# KiCad board AppleII.kicad_pcb
date: 2024-01-27
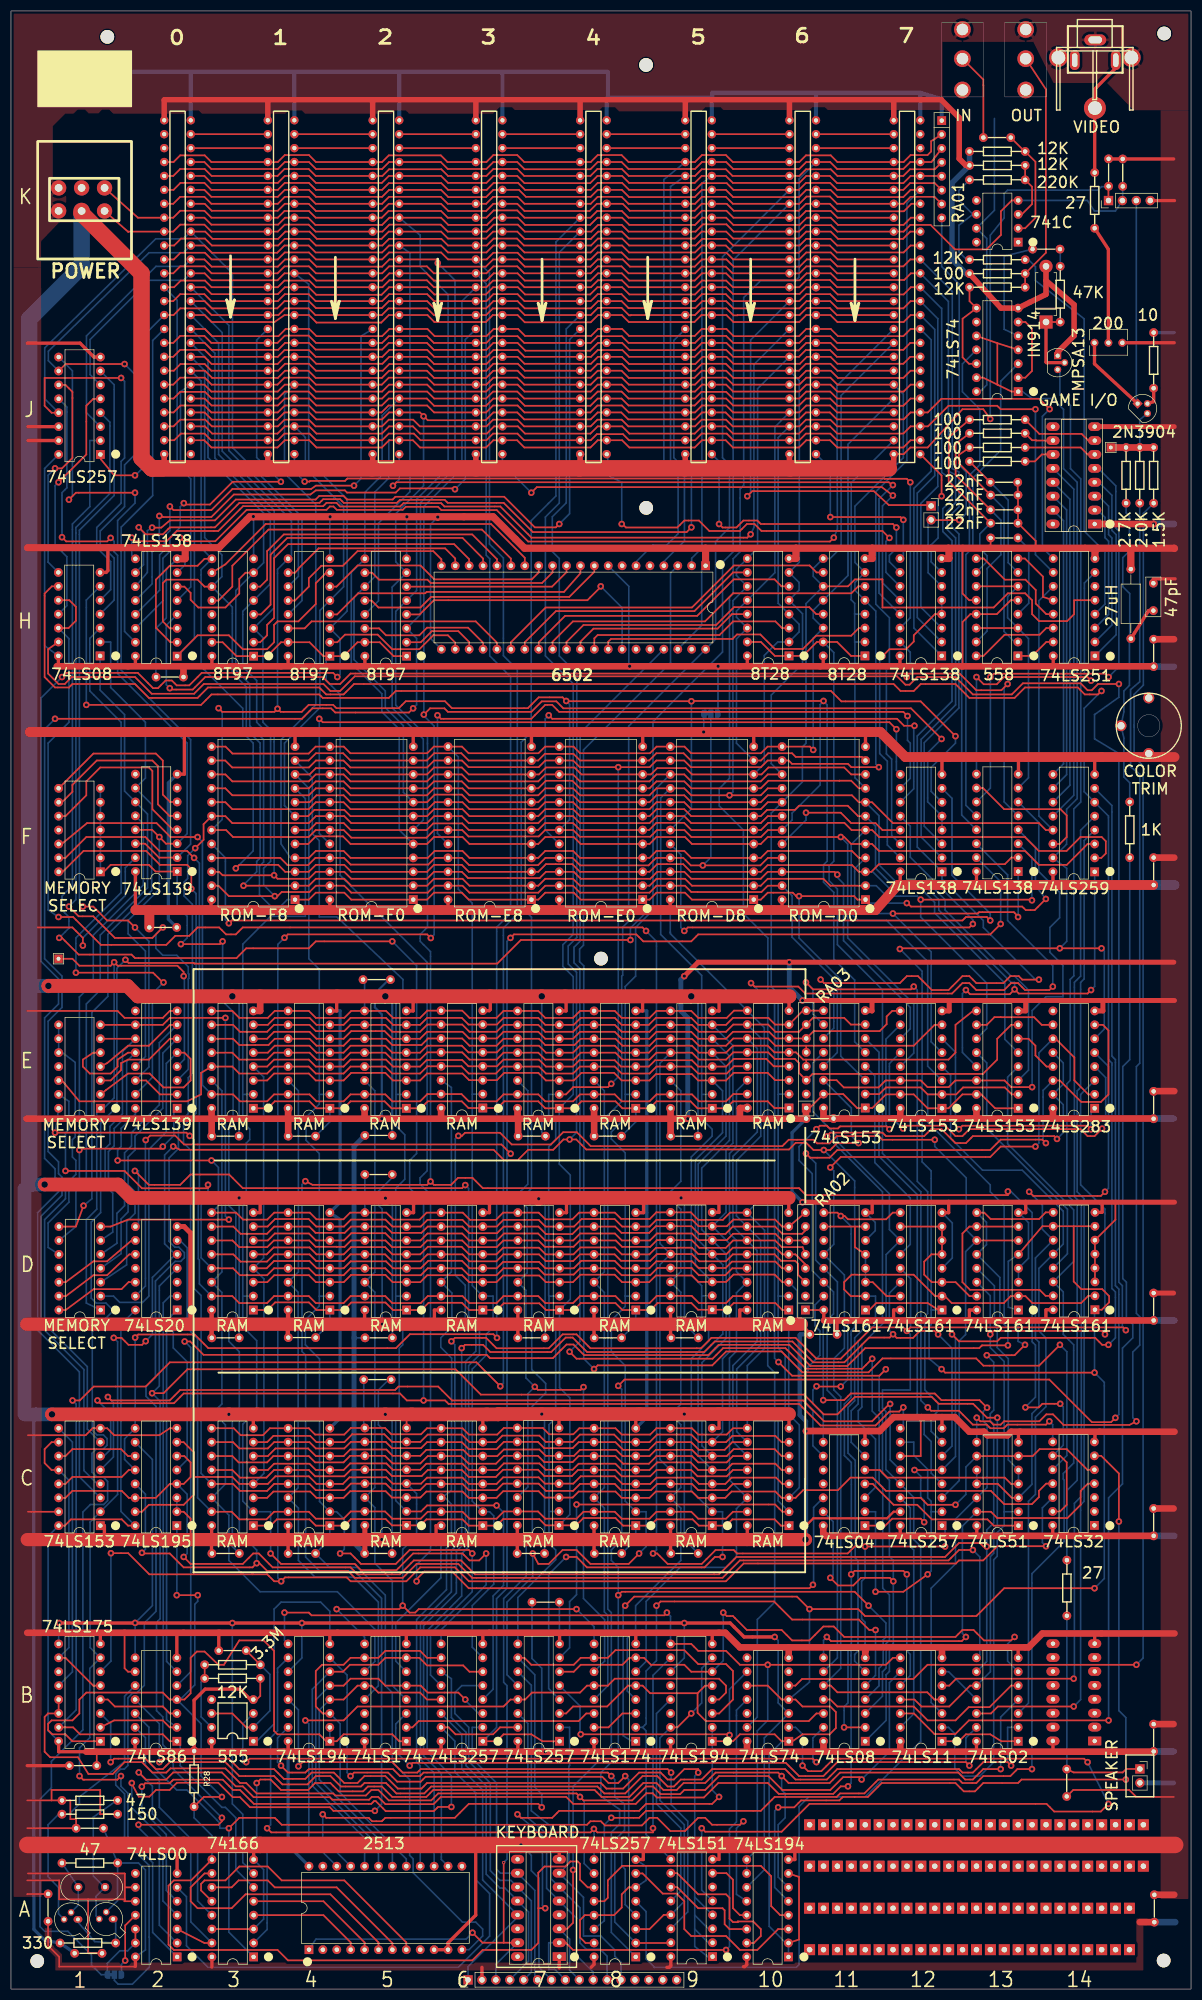
[diagram p0: board, top side]
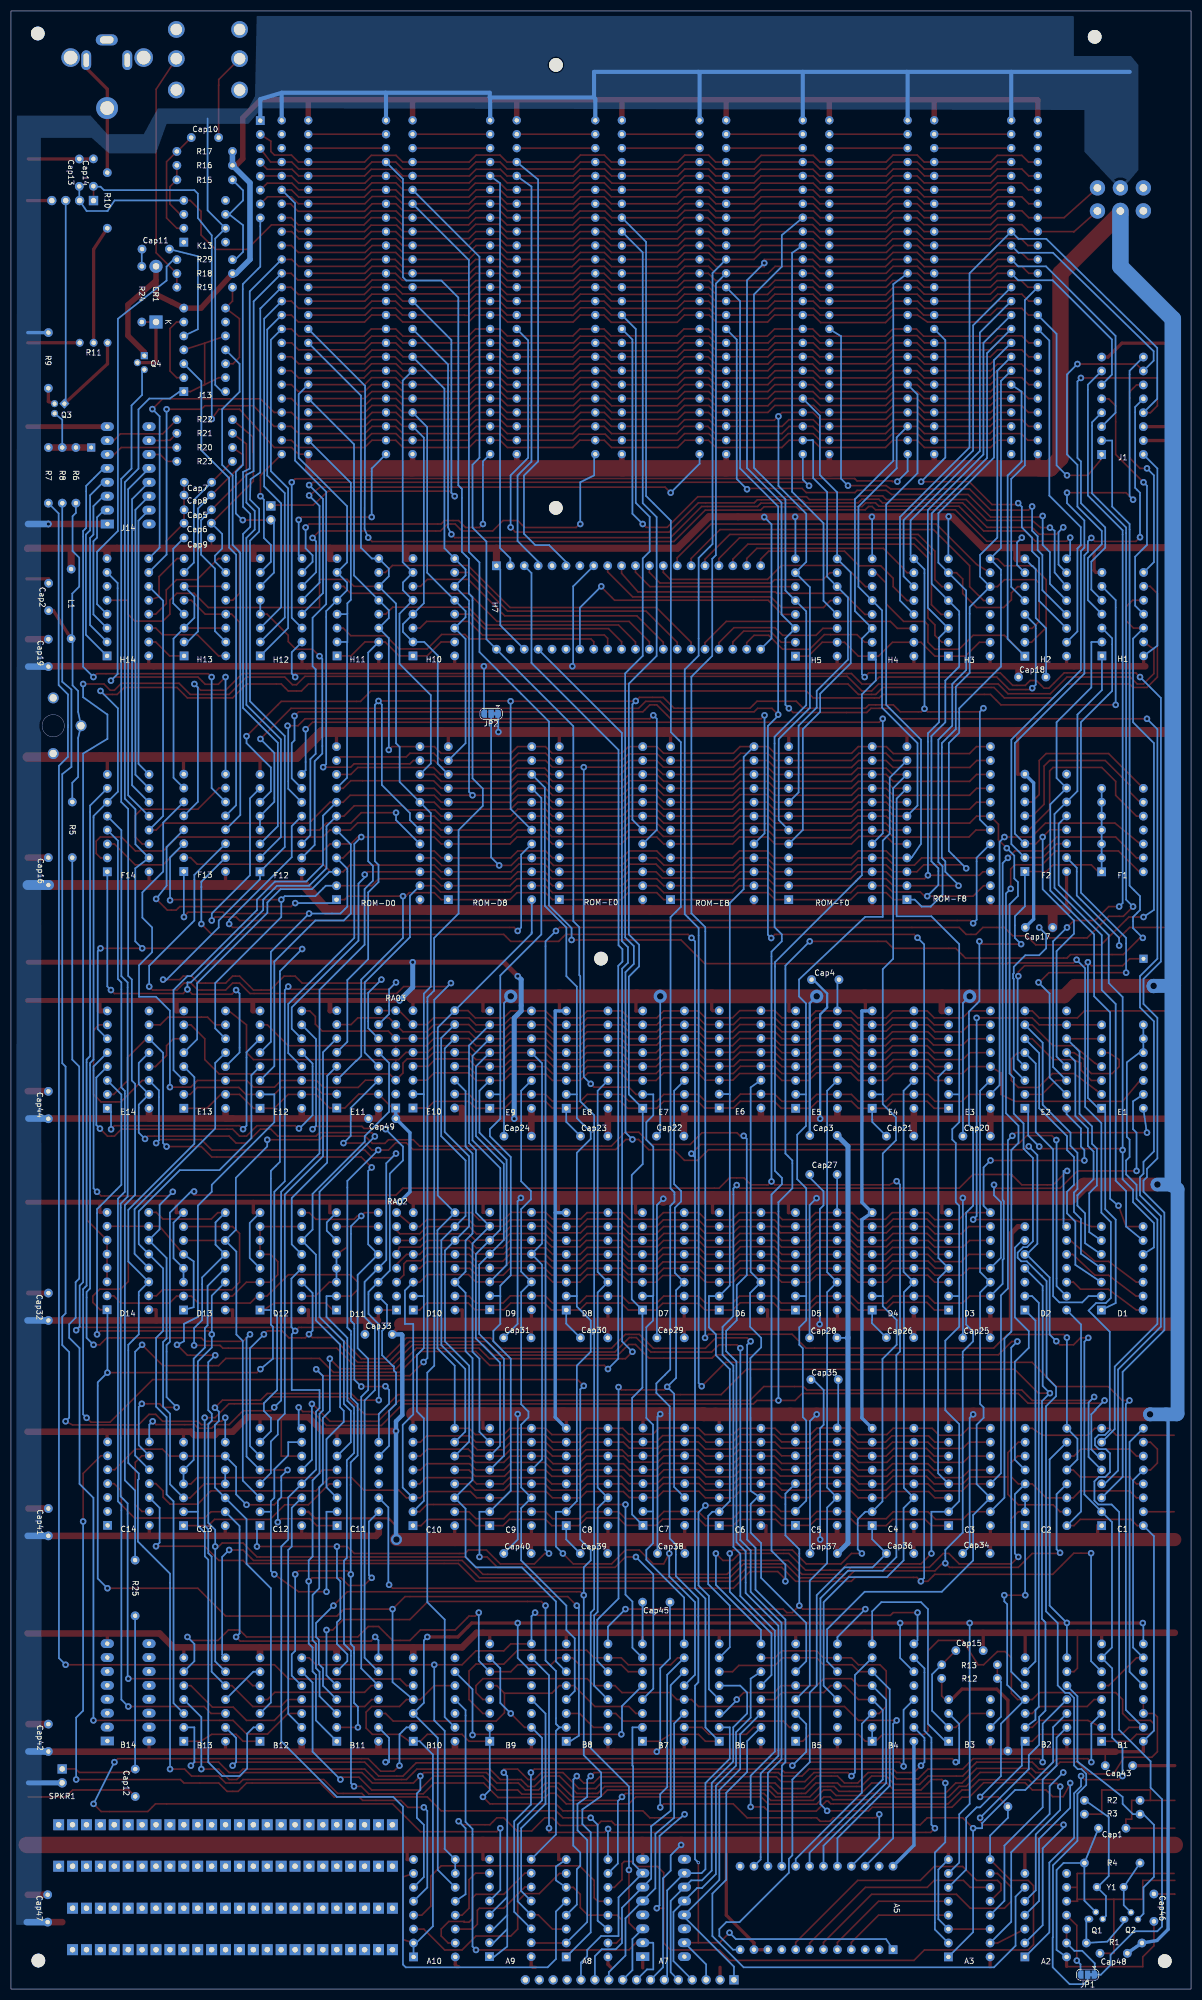
[diagram p1: board, bottom side, seen from below]

Outline 215.54 x 361.16 mm; copper layers: Top, Bottom. Coordinates in mm from the lower left corner of the outline.
Outline path: rectangle 0,361.16 215.54,0
Stack: Top 0.035mm / dielectric 1.51mm FR4 er 4.5 / Bottom 0.035mm

## Placement (name value [footprint] x y rotation side)
A2  74LS00  [DIP-14_W7.62mm]  30.35 5.87 180 top
A3  74LS166  [DIP-16_W7.62mm]  44.32 5.87 180 top
A5  2513 Char ROM  [DIP-24_W15.24mm]  54.43 7.19 90 top
A7  Keyboard_Connector  [DIP-16_W7.62mm_Socket_LongPads]  100.15 5.92 180 top
A8  74LS257  [DIP-16_W7.62mm]  114.12 5.87 180 top
A9  74LS151  [DIP-16_W7.62mm]  128.14 5.92 180 top
A10  74LS194  [DIP-16_W7.62mm]  142.01 5.87 180 top
B1  74LS175  [DIP-16_W7.62mm]  16.33 45.24 180 top
B2  74LS86  [DIP-14_W7.62mm]  30.3 45.24 180 top
B3  555  [DIP-8_W7.62mm]  44.27 45.24 180 top
B4  74LS194  [DIP-16_W7.62mm]  58.24 45.24 180 top
B5  74LS174  [DIP-16_W7.62mm]  72.21 45.24 180 top
B6  74LS257  [DIP-16_W7.62mm]  86.18 45.24 180 top
B7  74LS257  [DIP-16_W7.62mm]  100.2 45.24 180 top
B8  74LS174  [DIP-16_W7.62mm]  114.12 45.24 180 top
B9  74LS194  [DIP-16_W7.62mm]  128.09 45.24 180 top
B10  74LS74  [DIP-14_W7.62mm]  142.06 45.24 180 top
B11  74LS08  [DIP-14_W7.62mm]  156.03 45.24 180 top
B12  74LS11  [DIP-14_W7.62mm]  170.05 45.24 180 top
B13  74LS02  [DIP-14_W7.62mm]  183.97 45.24 180 top
B14  74LS151  [DIP-16_W7.62mm_Socket_LongPads]  197.94 45.29 180 top  (not fitted)
C1  74LS153  [DIP-16_W7.62mm]  16.33 84.61 180 top
C2  74LS195  [DIP-16_W7.62mm]  30.3 84.61 180 top
C3  4116  [DIP-16_W7.62mm]  44.27 84.61 180 top
C4  4116  [DIP-16_W7.62mm]  58.24 84.61 180 top
C5  4116  [DIP-16_W7.62mm]  72.26 84.66 180 top
C6  4116  [DIP-16_W7.62mm]  86.18 84.61 180 top
C7  4116  [DIP-16_W7.62mm]  100.1 84.66 180 top
C8  4116  [DIP-16_W7.62mm]  114.12 84.61 180 top
C9  4116  [DIP-16_W7.62mm]  128.09 84.61 180 top
C10  4116  [DIP-16_W7.62mm]  142.11 84.61 180 top
C11  74LS04  [DIP-14_W7.62mm]  155.98 84.61 180 top
C12  74LS257  [DIP-16_W7.62mm]  170.05 84.61 180 top
C13  74LS51  [DIP-14_W7.62mm]  184.02 84.61 180 top
C14  74LS32  [DIP-14_W7.62mm]  197.89 84.66 180 top
Cap1  0.1uF  [C_Disc_D5.0mm_W2.5mm_P5.00mm]  16.9 29.36 180 top
Cap2  47pf  [C_Disc_D7.0mm_W2.5mm_P5.00mm]  208.66 251.68 90 top
Cap3  0.1uF  [C_Disc_D5.0mm_W2.5mm_P5.00mm]  64.65 155.85 0 top
Cap4  0.1uF  [C_Disc_D5.0mm_W2.5mm_P5.00mm]  69.31 184.3 180 top
Cap5  .022uF  [C_Disc_D5.0mm_W2.5mm_P5.00mm]  178.92 270.08 0 top
Cap6  .022uF  [C_Disc_D5.0mm_W2.5mm_P5.00mm]  178.93 267.64 0 top
Cap7  .022uF  [C_Disc_D5.0mm_W2.5mm_P5.00mm]  178.88 275.11 0 top
Cap8  .022uF  [C_Disc_D5.0mm_W2.5mm_P5.00mm]  178.93 272.77 0 top
Cap9  .1uF  [C_Disc_D5.0mm_W2.5mm_P5.00mm]  183.93 264.95 180 top
Cap10  .1uF  [C_Disc_D5.0mm_W2.5mm_P5.00mm]  177.61 338.05 0 top
Cap11  .1uF  [C_Disc_D5.0mm_W2.5mm_P5.00mm]  186.6 317.68 0 top
Cap12  .1uF  [C_Disc_D5.0mm_W2.5mm_P5.00mm]  192.84 40.16 270 top
Cap13  0.1uf  [C_Disc_D5.0mm_W2.5mm_P5.00mm]  203.06 334.14 270 top
Cap14  0.1uf  [C_Disc_D5.0mm_W2.5mm_P5.00mm]  200.48 334.16 270 top
Cap15  0.1uf  [C_Disc_D5.0mm_W2.5mm_P5.00mm]  37.96 61.8 0 top
Cap16  0.1uF  [C_Disc_D5.0mm_W2.5mm_P5.00mm]  208.71 206.57 270 top
Cap17  0.1uF  [C_Disc_D5.0mm_W2.5mm_P5.00mm]  30.28 193.83 180 top
Cap18  0.1uF  [C_Disc_D5.0mm_W2.5mm_P5.00mm]  26.51 239.55 0 top
Cap19  0.1uF  [C_Disc_D5.0mm_W2.5mm_P5.00mm]  208.71 246.45 270 top
Cap20  0.1uF  [C_Disc_D5.0mm_W2.5mm_P5.00mm]  36.67 155.73 0 top
Cap21  0.1uF  [C_Disc_D5.0mm_W2.5mm_P5.00mm]  50.64 155.73 0 top
Cap22  0.1uF  [C_Disc_D5.0mm_W2.5mm_P5.00mm]  92.63 155.73 0 top
Cap23  0.1uF  [C_Disc_D5.0mm_W2.5mm_P5.00mm]  106.52 155.73 0 top
Cap24  0.1uF  [C_Disc_D5.0mm_W2.5mm_P5.00mm]  120.49 155.73 0 top
Cap25  0.1uF  [C_Disc_D5.0mm_W2.5mm_P5.00mm]  36.68 118.9 0 top
Cap26  0.1uF  [C_Disc_D5.0mm_W2.5mm_P5.00mm]  50.65 118.95 0 top
Cap27  0.1uF  [C_Disc_D5.0mm_W2.5mm_P5.00mm]  69.64 148.72 180 top
Cap28  0.1uF  [C_Disc_D5.0mm_W2.5mm_P5.00mm]  64.67 118.9 0 top
Cap29  0.1uF  [C_Disc_D5.0mm_W2.5mm_P5.00mm]  92.56 118.9 0 top
Cap30  0.1uF  [C_Disc_D5.0mm_W2.5mm_P5.00mm]  106.53 118.9 0 top
Cap31  0.1uF  [C_Disc_D5.0mm_W2.5mm_P5.00mm]  120.55 118.9 0 top
Cap32  0.1uF  [C_Disc_D5.0mm_W2.5mm_P5.00mm]  208.71 127.07 270 top
Cap33  0.1uF  [C_Disc_D5.0mm_W2.5mm_P5.00mm]  145.89 119.53 0 top
Cap34  0.1uF  [C_Disc_D5.0mm_W2.5mm_P5.00mm]  36.71 79.53 0 top
Cap35  0.1uF  [C_Disc_D5.0mm_W2.5mm_P5.00mm]  69.44 111.28 180 top
Cap36  0.1uF  [C_Disc_D5.0mm_W2.5mm_P5.00mm]  50.64 79.53 0 top
Cap37  0.1uF  [C_Disc_D5.0mm_W2.5mm_P5.00mm]  64.61 79.53 0 top
Cap38  0.1uF  [C_Disc_D5.0mm_W2.5mm_P5.00mm]  92.46 79.53 0 top
Cap39  0.1uF  [C_Disc_D5.0mm_W2.5mm_P5.00mm]  106.56 79.53 0 top
Cap40  0.1uF  [C_Disc_D5.0mm_W2.5mm_P5.00mm]  120.53 79.53 0 top
Cap41  0.1uF  [C_Disc_D5.0mm_W2.5mm_P5.00mm]  208.71 87.74 270 top
Cap42  0.1uF  [C_Disc_D5.0mm_W2.5mm_P5.00mm]  208.71 48.37 270 top
Cap43  0.1uF  [C_Disc_D5.0mm_W2.5mm_P5.00mm]  10.67 40.79 0 top
Cap44  0.1uF  [C_Disc_D5.0mm_W2.5mm_P5.00mm]  208.71 163.9 270 top
Cap45  0.1uF  [C_Disc_D5.0mm_W2.5mm_P5.00mm]  100.17 70.64 180 top
Cap46  0.1uF  [C_Disc_D5.0mm_W2.5mm_P5.00mm]  6.78 17.36 270 top
Cap47  0.1uF  [C_Disc_D5.0mm_W2.5mm_P5.00mm]  208.84 17.22 270 top
Cap48  0.1uF  [C_Disc_D5.0mm_W2.5mm_P5.00mm]  11.64 6.53 0 top
Cap49  0.1uF  [C_Disc_D5.0mm_W2.5mm_P5.00mm]  145.24 158.93 0 top
CP0  Power Connector  [POWER]  12.9 326.8 90 top
CR1  1N914  [D_DO-15_P10.16mm_Horizontal]  189.05 304.37 90 top
CT3  5-50pF  [COLOUR_TRIM]  207.82 230.66 90 top
D1  Memory Type Sel  [DIP-14_W7.62mm]  16.38 123.98 180 top
D2  74LS20  [DIP-14_W7.62mm]  30.35 123.98 180 top
D3  4116  [DIP-16_W7.62mm]  44.27 123.98 180 top
D4  4116  [DIP-16_W7.62mm]  58.24 123.98 180 top
D5  4116  [DIP-16_W7.62mm]  72.26 123.98 180 top
D6  4116  [DIP-16_W7.62mm]  86.18 123.98 180 top
D7  4116  [DIP-16_W7.62mm]  100.2 123.98 180 top
D8  4116  [DIP-16_W7.62mm]  114.12 123.98 180 top
D9  4116  [DIP-16_W7.62mm]  128.09 124.03 180 top
D10  4116  [DIP-16_W7.62mm]  142.06 123.98 180 top
D11  74LS161  [DIP-16_W7.62mm]  156.08 123.98 180 top
D12  74LS161  [DIP-16_W7.62mm]  170.05 123.98 180 top
D13  74LS161  [DIP-16_W7.62mm]  184.02 123.98 180 top
D14  74LS161  [DIP-16_W7.62mm]  197.99 124.03 180 top
E1  Memory Type Sel  [DIP-14_W7.62mm]  16.33 160.81 180 top
E2  74LS139  [DIP-16_W7.62mm]  30.35 160.81 180 top
E3  4116  [DIP-16_W7.62mm]  44.27 160.81 180 top
E4  4116  [DIP-16_W7.62mm]  58.24 160.81 180 top
E5  4116  [DIP-16_W7.62mm]  72.21 160.81 180 top
E6  4116  [DIP-16_W7.62mm]  86.18 160.86 180 top
E7  4116  [DIP-16_W7.62mm]  100.15 160.81 180 top
E8  4116  [DIP-16_W7.62mm]  114.12 160.81 180 top
E9  4116  [DIP-16_W7.62mm]  128.09 160.81 180 top
E10  4116  [DIP-16_W7.62mm]  142.11 160.86 180 top
E11  74LS153  [DIP-16_W7.62mm]  156.03 160.86 180 top
E12  74LS153  [DIP-16_W7.62mm]  170.05 160.81 180 top
E13  74LS153  [DIP-16_W7.62mm]  183.97 160.81 180 top
E14  74LS283  [DIP-16_W7.62mm]  197.94 160.81 180 top
F1  Memory Type Sel  [DIP-14_W7.62mm]  16.33 203.99 180 top
F2  74LS139  [DIP-16_W7.62mm]  30.35 204.04 180 top
F12  74LS138  [DIP-16_W7.62mm]  170.05 203.99 180 top
F13  74LS138  [DIP-16_W7.62mm]  183.97 204.04 180 top
F14  74LS259  [DIP-16_W7.62mm]  197.94 203.99 180 top
H1  74LS08  [DIP-14_W7.62mm]  16.28 243.41 180 top
H2  74LS138  [DIP-16_W7.62mm]  30.35 243.36 180 top
H3  8T97  [DIP-16_W7.62mm]  44.32 243.36 180 top
H4  8T97  [DIP-16_W7.62mm]  58.24 243.36 180 top
H5  8T97  [DIP-16_W7.62mm]  72.26 243.36 180 top
H7  6502  [DIP-40_W15.24mm]  126.87 259.87 270 top
H10  8T28  [DIP-16_W7.62mm]  142.11 243.41 180 top
H11  8T28  [DIP-16_W7.62mm]  155.98 243.41 180 top
H12  74LS138  [DIP-16_W7.62mm]  170 243.41 180 top
H13  NE558  [DIP-16_W7.62mm]  183.92 243.41 180 top
H14  74LS251  [DIP-16_W7.62mm]  197.99 243.41 180 top
J0  Cassette Data In  [AUDIO_mono]  173.79 353.47 0 top
J1  74LS257  [DIP-16_W7.62mm]  16.33 280.19 180 top
J2  Cassette Data Out  [AUDIO_mono]  185.34 353.47 0 top
J3  Conn_01x16  [PinHeader_1x16_P2.54mm_Vertical]  83.49 1.68 90 top
J4  Conn_01x25  [SIP-25]  176.35 30 0 top  (not fitted)
J5  Conn_01x25  [SIP-25]  176.35 22.43 0 top  (not fitted)
J6  Conn_01x24  [SIP-24]  176.35 14.76 0 top  (not fitted)
J7  Conn_01x24  [SIP-24]  176.35 7.19 0 top  (not fitted)
J13  74LS74  [DIP-14_W7.62mm]  183.97 291.67 180 top
J14  GAME_IO_Conn  [DIP-16_W7.62mm_Socket_LongPads]  197.94 267.49 180 top
J18  Aux Video  [PinHeader_1x04_P2.54mm_Vertical]  200.47 326.54 90 top
JP1  ROM/EPROM  [SolderJumper-3_P1.3mm_Bridged12_RoundedPad1.0x1.5mm]  18.89 2.62 0 bottom
JP2  ROM/EPROM  [SolderJumper-3_P1.3mm_Bridged12_RoundedPad1.0x1.5mm]  127.84 232.84 0 bottom
JP-User1  Jumper  [PinSocket_1x02_P2.54mm_Vertical]  168.07 270.79 0 top  (not fitted)
K13  MA741  [DIP-8_W7.62mm]  183.97 318.95 180 top
K14  RCA Connector  [VIDEO]  197.96 356 180 top
L1  27uH  [L_Axial_L7.0mm_D3.3mm_P12.70mm_Horizontal_Fastron_MICC]  204.55 246.56 90 top
MH1  MountingHole  [MountingHole_2.5mm]  17.6 356.44 0 top
MH2  MountingHole  [MountingHole_2.5mm]  116 351.31 0 top
MH3  MountingHole  [MountingHole_2.5mm]  210.64 357.05 0 top
MH4  MountingHole  [MountingHole_2.5mm]  116.03 270.43 0 top
MH5  MountingHole  [MountingHole_2.5mm]  107.77 188.14 0 top
MH6  MountingHole  [MountingHole_2.5mm]  4.8 5.11 0 top
MH7  MountingHole  [MountingHole_2.5mm]  210.54 5.21 0 top
Q1  2N4258  [TO-18-3]  18.66 12.78 180 top
Q2  2N4258  [TO-18-3]  12.24 12.73 180 top
Q3  2N3904  [TO-92]  205.78 289.47 315 top
Q4  MPSA13  [TO-92]  191.19 298.22 270 top
R1  330R  [R_Axial_DIN0207_L6.3mm_D2.5mm_P10.16mm_Horizontal]  8.97 8.41 0 top
R2  47R  [R_Axial_DIN0207_L6.3mm_D2.5mm_P10.16mm_Horizontal]  19.48 34.44 180 top
R3  150R  [R_Axial_DIN0207_L6.3mm_D2.5mm_P10.16mm_Horizontal]  9.32 31.93 0 top
R4  47R  [R_Axial_DIN0207_L6.3mm_D2.5mm_P10.16mm_Horizontal]  19.48 23.01 180 top
R5  1K  [R_Axial_DIN0207_L6.3mm_D2.5mm_P10.16mm_Horizontal]  204.34 206.58 90 top
R6  2K7  [R_Axial_DIN0207_L6.3mm_D2.5mm_P10.16mm_Horizontal]  203.68 271.3 90 top
R7  1K5  [R_Axial_DIN0207_L6.3mm_D2.5mm_P10.16mm_Horizontal]  208.71 281.46 270 top
R8  2K  [R_Axial_DIN0207_L6.3mm_D2.5mm_P10.16mm_Horizontal]  206.17 281.46 270 top
R9  10R  [R_Axial_DIN0207_L6.3mm_D2.5mm_P10.16mm_Horizontal]  208.71 302.44 270 top
R10  27R  [R_Axial_DIN0207_L6.3mm_D2.5mm_P10.16mm_Horizontal]  197.94 321.49 90 top
R11  200R  [Potentiometer_Bourns_3266Y_Vertical]  197.91 300.58 180 top
R12  12K  [R_Axial_DIN0207_L6.3mm_D2.5mm_P10.16mm_Horizontal]  35.38 56.72 0 top
R13  3M3  [R_Axial_DIN0207_L6.3mm_D2.5mm_P10.16mm_Horizontal]  45.54 59.21 180 top
R15  220k  [R_Axial_DIN0207_L6.3mm_D2.5mm_P10.16mm_Horizontal]  185.24 330.33 180 top
R16  12K  [R_Axial_DIN0207_L6.3mm_D2.5mm_P10.16mm_Horizontal]  175.08 332.97 0 top
R17  12K  [R_Axial_DIN0207_L6.3mm_D2.5mm_P10.16mm_Horizontal]  175.08 335.51 0 top
R18  100R  [R_Axial_DIN0207_L6.3mm_D2.5mm_P10.16mm_Horizontal]  175.08 313.21 0 top
R19  12K  [R_Axial_DIN0207_L6.3mm_D2.5mm_P10.16mm_Horizontal]  185.24 310.72 180 top
R20  100R  [R_Axial_DIN0207_L6.3mm_D2.5mm_P10.16mm_Horizontal]  185.24 281.46 180 top
R21  100R  [R_Axial_DIN0207_L6.3mm_D2.5mm_P10.16mm_Horizontal]  185.24 284.05 180 top
R22  100R  [R_Axial_DIN0207_L6.3mm_D2.5mm_P10.16mm_Horizontal]  185.24 286.54 180 top
R23  100R  [R_Axial_DIN0207_L6.3mm_D2.5mm_P10.16mm_Horizontal]  185.24 278.92 180 top
R24  47K  [R_Axial_DIN0207_L6.3mm_D2.5mm_P10.16mm_Horizontal]  191.64 304.37 90 top
R25  27R  [R_Axial_DIN0207_L6.3mm_D2.5mm_P10.16mm_Horizontal]  192.86 68.15 90 top
R28  1K  [R_Axial_DIN0207_L6.3mm_D2.5mm_P10.16mm_Horizontal]  33.45 43.46 270 top
R29  12K  [R_Axial_DIN0207_L6.3mm_D2.5mm_P10.16mm_Horizontal]  175.08 315.75 0 top
RA01  1k  [R_Array_SIP8]  170 341.15 270 top
RA02  1K  [R_Array_SIP8]  145.11 123.98 90 top
RA03  1K  [R_Array_SIP8]  145.26 160.86 90 top
ROM-D0  ROM_Chip  [DIP-24_W15.24mm]  156.08 198.91 180 top
ROM-D8  ROM_Chip  [DIP-24_W15.24mm]  135.66 198.91 180 top
ROM-E0  ROM_Chip  [DIP-24_W15.24mm]  115.39 198.91 180 top
ROM-E8  ROM_Chip  [DIP-24_W15.24mm]  95.07 198.91 180 top
ROM-F0  ROM_Chip  [DIP-24_W15.24mm]  73.48 198.91 180 top
ROM-F8  ROM_Chip  [DIP-24_W15.24mm]  51.89 198.91 180 top
SLOT0  50 pin slot  [Standard_Edge_Connector]  30.3 310.72 0 top
SLOT1  50 pin slot  [Standard_Edge_Connector]  49.23 310.72 0 top
SLOT2  50 pin slot  [Standard_Edge_Connector]  68.38 310.72 0 top
SLOT3  50 pin slot  [Standard_Edge_Connector]  87.22 310.72 0 top
SLOT4  50 pin slot  [Standard_Edge_Connector]  106.27 310.72 0 top
SLOT5  50 pin slot  [Standard_Edge_Connector]  125.48 310.72 0 top
SLOT6  50 pin slot  [Standard_Edge_Connector]  144.5 310.72 0 top
SLOT7  50 pin slot  [Standard_Edge_Connector]  163.55 310.72 0 top
SPKR1  Speaker Connector  [PinSocket_1x02_P2.54mm_Vertical]  206.2 40.19 0 top
TP1  TestPoint  [TestPoint_THTPad_1.5x1.5mm_Drill0.7mm]  8.69 188.11 0 top
TP2  TestPoint  [TestPoint_THTPad_1.5x1.5mm_Drill0.7mm]  200.89 281.46 0 top
Y1  XT0001  [Crystal_HC18-U_Vertical]  17.2 18.62 180 top

## Library data of the parts
A2 = -: Datasheet: http://www.ti.com/lit/gpn/sn74ls00; ki_fp_filters: DIP*W7.62mm* SO14*
A3 = -: Datasheet: http://www.ti.com/lit/gpn/sn74LS166; ki_fp_filters: DIP?16*
A8 B6 B7 C12 J1 = -: Datasheet: http://www.ti.com/lit/gpn/sn74LS257; ki_fp_filters: DIP?16*
A9 B14 = -: Datasheet: http://www.ti.com/lit/gpn/sn74LS151; ki_fp_filters: DIP?16*
A10 B4 B9 = -: Datasheet: http://www.ti.com/lit/gpn/sn74LS194; ki_fp_filters: DIP?16*
B1 = -: Datasheet: http://www.ti.com/lit/gpn/sn74LS175; ki_fp_filters: DIP?16*
B2 = -: Datasheet: 74xx/74ls86.pdf; ki_fp_filters: DIP*W7.62mm*
B3 = -: Datasheet: http://www.ti.com/general/docs/suppproductinfo.tsp?distId=10&gotoUrl=http%3A%2F%2Fwww.ti.com%2Flit%2Fgpn%2Fne555; Description: IC OSC SINGLE TIMER 100KHZ 8-DIP; Category: Integrated Circuits (ICs); DK_Datasheet_Link: http://www.ti.com/general/docs/suppproductinfo.tsp?distId=10&gotoUrl=http%3A%2F%2Fwww.ti.com%2Flit%2Fgpn%2Fne555; DK_Detail_Page: /product-detail/en/texas-instruments/NE555P/296-1411-5-ND/277057; Digi-Key_PN: 296-1411-5-ND; Family: Clock/Timing - Programmable Timers and Oscillators; MPN: NE555P; Manufacturer: Texas Instruments; Status: Active
B5 B8 = -: Datasheet: http://www.ti.com/lit/gpn/sn74LS174; ki_fp_filters: DIP?16*
B10 J13 = -: Datasheet: 74xx/74hc_hct74.pdf; ki_fp_filters: DIP*W7.62mm*
B11 H1 = -: Datasheet: http://www.ti.com/lit/gpn/sn74LS08; ki_fp_filters: DIP*W7.62mm*
B12 = -: Datasheet: http://www.ti.com/lit/gpn/sn74LS11; ki_fp_filters: DIP*W7.62mm*
B13 = -: Datasheet: http://www.ti.com/lit/gpn/sn74ls02; ki_fp_filters: SO14* DIP*W7.62mm*
C1 E11-E13 = -: Datasheet: http://www.ti.com/lit/gpn/sn74LS153; ki_fp_filters: DIP?16*
C2 = -: Datasheet: http://www.ti.com/lit/gpn/sn74LS195; ki_fp_filters: DIP?16*
C11 = -: Datasheet: http://www.ti.com/lit/gpn/sn74LS04; ki_fp_filters: DIP*W7.62mm* SSOP?14* TSSOP?14*
C13 = -: Datasheet: http://www.ti.com/lit/ds/symlink/sn74ls51.pdf; ki_fp_filters: DIP*W7.62mm*
C14 = -: Datasheet: http://www.ti.com/lit/gpn/sn74LS32; ki_fp_filters: DIP?14*
Cap1-Cap49 = -: ki_fp_filters: C_*
CP0 = -: Datasheet: https://www.te.com/commerce/DocumentDelivery/DDEController?Action=srchrtrv&DocNm=640500&DocType=Customer+Drawing&DocLang=English; DigiKey: A14226-ND; ki_fp_filters: Connector*:*_2x??_*
CR1 = -: ki_fp_filters: TO-???* *_Diode_* *SingleDiode* D_*
CT3 = -: Datasheet: https://www.vishay.com/docs/28528/bfc2808-10mm.pdf; DigiKey: BFC280831659-ND
D2 = -: Datasheet: http://www.ti.com/lit/gpn/sn74LS20; ki_fp_filters: DIP?12*
D11-D14 = -: Datasheet: http://www.ti.com/lit/gpn/sn74LS161; ki_fp_filters: DIP?16*
E2 F2 = -: Datasheet: http://www.ti.com/lit/ds/symlink/sn74ls139a.pdf; ki_fp_filters: DIP?16*
E14 = -: Datasheet: http://www.ti.com/lit/gpn/sn74LS283; ki_fp_filters: DIP?16*
F12 F13 H2 H12 = -: Datasheet: http://www.ti.com/lit/gpn/sn74LS138; ki_fp_filters: DIP?16*
F14 = -: Datasheet: http://www.ti.com/lit/gpn/sn74LS259; ki_fp_filters: DIP?16*
H7 = -: ki_fp_filters: DIP*W15.24mm*
H14 = -: Datasheet: http://www.ti.com/lit/gpn/sn74LS251; ki_fp_filters: DIP?16*
J0 J2 = -: Datasheet: https://www.cuidevices.com/product/resource/mj-3502n.pdf; DigiKey: CP-3502N-ND; ki_fp_filters: Jack*
J3-J7 J18 = -: ki_fp_filters: Connector*:*_1x??_*
JP1 JP2 = -: Description: 3-pole Solder Jumper, pins 1+2 closed/bridged; ki_fp_filters: SolderJumper*Bridged12*
JP-User1 = -: ki_fp_filters: Jumper* TestPoint*2Pads* TestPoint*Bridge*
K13 = -: Datasheet: http://www.ti.com/lit/ds/symlink/lm741.pdf; ki_fp_filters: SOIC*3.9x4.9mm*P1.27mm* DIP*W7.62mm* TSSOP*3x3mm*P0.65mm*
K14 = -: Datasheet: https://www.switchcraft.com/assets/1/24/pjran1x1u__x_series_cd.pdf?4664; DigiKey: PJRAN1X1U03X-ND
L1 = -: ki_fp_filters: Choke_* *Coil* Inductor_* L_*
MH1-MH7 = -: ki_fp_filters: MountingHole*
Q1 Q2 = -: Alt: 2N4208; DigiKey: 2N4208-ND
Q3 = -: Datasheet: https://my.centralsemi.com/get_document.php?cmp=1&mergetype=pd&mergepath=pd&pdf_id=LSSGP072.PDF; Description: TRANS NPN 40V TO-92; Category: Discrete Semiconductor Products; DK_Datasheet_Link: https://my.centralsemi.com/get_document.php?cmp=1&mergetype=pd&mergepath=pd&pdf_id=LSSGP072.PDF; DK_Detail_Page: /product-detail/en/central-semiconductor-corp/2N3904/2N3904CS-ND/4806876; Digi-Key_PN: 2N3904CS-ND; Family: Transistors - Bipolar (BJT) - Single; Manufacturer: Central Semiconductor Corp; Status: Active
Q4 = -: Alt: KSP13; DigiKey: KSP13BU-ND
R1-R10 R12 R13 R15-R25 R28 R29 = -: ki_fp_filters: R_*
R11 = -: ki_fp_filters: Potentiometer*
RA01 RA02 RA03 = -: Datasheet: http://www.vishay.com/docs/31509/csc.pdf; ki_fp_filters: R?Array?SIP*
SLOT0 = -: DigiKey: A31718-ND; ki_fp_filters: Connector*:*_2x??_*
SLOT1-SLOT7 = -: ki_fp_filters: Connector*:*_2x??_*
SPKR1 = -: Datasheet: https://media.digikey.com/pdf/Data%20Sheets/Molex%20PDFs/A-6373-N_Series_Dwg_2010-12-03.pdf; Description: CONN HEADER VERT 2POS 2.54MM; Category: Connectors, Interconnects; DK_Datasheet_Link: https://media.digikey.com/pdf/Data%20Sheets/Molex%20PDFs/A-6373-N_Series_Dwg_2010-12-03.pdf; DK_Detail_Page: /product-detail/en/molex/22-23-2021/WM4200-ND/26667; Digi-Key_PN: WM4200-ND; Family: Rectangular Connectors - Headers, Male Pins; MPN: 22-23-2021; Manufacturer: Molex; Status: Active
TP1 TP2 = -: ki_fp_filters: Pin* Test*
Y1 = -: ki_fp_filters: Crystal*

## Footprints (pads in the part's own frame, mm; a bottom-side part is the same pattern mirrored in y, then rotated)
AUDIO_mono
  round 3.048 hole 2.1: G(0,-6.731) S(0,4.318) T(0,-1.016)
C_Disc_D5.0mm_W2.5mm_P5.00mm
  round 1.6 hole 0.8: 1(0,0) 2(5,0)
C_Disc_D7.0mm_W2.5mm_P5.00mm
  round 1.6 hole 0.8: 1(0,0) 2(5,0)
COLOUR_TRIM
  round 2 hole 1.35: 1(-5.08,0) 2(0,5.08) 3(5.08,0)
Crystal_HC18-U_Vertical
  round 1.5 hole 0.8: 1(0,0) 2(4.9,0)
D_DO-15_P10.16mm_Horizontal
  rect 2.4x2.4 hole 1.2: 1(0,0)
  oval 2.4x2.4 hole 1.2: 2(10.16,0)
DIP-8_W7.62mm
  rect 1.6x1.6 hole 0.8: 1(0,0)
  oval 1.6x1.6 hole 0.8: 2(0,-2.54) 3(0,-5.08) 4(0,-7.62) 5(7.62,-7.62) 6(7.62,-5.08) 7(7.62,-2.54) 8(7.62,0)
DIP-14_W7.62mm
  rect 1.6x1.6 hole 0.8: 1(0,0)
  oval 1.6x1.6 hole 0.8: 2(0,-2.54) 3(0,-5.08) 4(0,-7.62) 5(0,-10.16) 6(0,-12.7) 7(0,-15.24) 8(7.62,-15.24) 9(7.62,-12.7) 10(7.62,-10.16) 11(7.62,-7.62) 12(7.62,-5.08) 13(7.62,-2.54) 14(7.62,0)
DIP-16_W7.62mm
  rect 1.6x1.6 hole 0.8: 1(0,0)
  oval 1.6x1.6 hole 0.8: 2(0,-2.54) 3(0,-5.08) 4(0,-7.62) 5(0,-10.16) 6(0,-12.7) 7(0,-15.24) 8(0,-17.78) 9(7.62,-17.78) 10(7.62,-15.24) 11(7.62,-12.7) 12(7.62,-10.16) 13(7.62,-7.62) 14(7.62,-5.08) 15(7.62,-2.54) 16(7.62,0)
DIP-16_W7.62mm_Socket_LongPads
  rect 2.4x1.6 hole 0.8: 1(0,0)
  oval 2.4x1.6 hole 0.8: 2(0,-2.54) 3(0,-5.08) 4(0,-7.62) 5(0,-10.16) 6(0,-12.7) 7(0,-15.24) 8(0,-17.78) 9(7.62,-17.78) 10(7.62,-15.24) 11(7.62,-12.7) 12(7.62,-10.16) 13(7.62,-7.62) 14(7.62,-5.08) 15(7.62,-2.54) 16(7.62,0)
DIP-24_W15.24mm
  rect 1.6x1.6 hole 0.8: 1(0,0)
  oval 1.6x1.6 hole 0.8: 2(0,-2.54) 3(0,-5.08) 4(0,-7.62) 5(0,-10.16) 6(0,-12.7) 7(0,-15.24) 8(0,-17.78) 9(0,-20.32) 10(0,-22.86) 11(0,-25.4) 12(0,-27.94) 13(15.24,-27.94) 14(15.24,-25.4) 15(15.24,-22.86) 16(15.24,-20.32) 17(15.24,-17.78) 18(15.24,-15.24) 19(15.24,-12.7) 20(15.24,-10.16) 21(15.24,-7.62) 22(15.24,-5.08) 23(15.24,-2.54) 24(15.24,0)
DIP-40_W15.24mm
  rect 1.6x1.6 hole 0.8: 1(0,0)
  oval 1.6x1.6 hole 0.8: 2(0,-2.54) 3(0,-5.08) 4(0,-7.62) 5(0,-10.16) 6(0,-12.7) 7(0,-15.24) 8(0,-17.78) 9(0,-20.32) 10(0,-22.86) 11(0,-25.4) 12(0,-27.94) 13(0,-30.48) 14(0,-33.02) 15(0,-35.56) 16(0,-38.1) 17(0,-40.64) 18(0,-43.18) 19(0,-45.72) 20(0,-48.26) 21(15.24,-48.26) 22(15.24,-45.72) 23(15.24,-43.18) 24(15.24,-40.64) 25(15.24,-38.1) 26(15.24,-35.56) 27(15.24,-33.02) 28(15.24,-30.48) 29(15.24,-27.94) 30(15.24,-25.4) 31(15.24,-22.86) 32(15.24,-20.32) 33(15.24,-17.78) 34(15.24,-15.24) 35(15.24,-12.7) 36(15.24,-10.16) 37(15.24,-7.62) 38(15.24,-5.08) 39(15.24,-2.54) 40(15.24,0)
L_Axial_L7.0mm_D3.3mm_P12.70mm_Horizontal_Fastron_MICC
  round 1.6 hole 0.8: 1(0,0)
  oval 1.6x1.6 hole 0.8: 2(12.7,0)
MountingHole_2.5mm
  round 2.5 hole 2.5 unplated: (0,0)
PinHeader_1x04_P2.54mm_Vertical
  rect 1.7x1.7 hole 1: 1(0,0)
  oval 1.7x1.7 hole 1: 2(0,-2.54) 3(0,-5.08) 4(0,-7.62)
PinHeader_1x16_P2.54mm_Vertical
  rect 1.7x1.7 hole 1: 1(0,0)
  oval 1.7x1.7 hole 1: 2(0,-2.54) 3(0,-5.08) 4(0,-7.62) 5(0,-10.16) 6(0,-12.7) 7(0,-15.24) 8(0,-17.78) 9(0,-20.32) 10(0,-22.86) 11(0,-25.4) 12(0,-27.94) 13(0,-30.48) 14(0,-33.02) 15(0,-35.56) 16(0,-38.1)